# Altium PCB coreBoard.PcbDoc (part 2 of 2)
Units mm, origin at the board's own origin, x right, y up, seen from the top; angles counter-clockwise.
Board outline 99.95 x 98.81 mm, 2 copper layers (Top Layer, Bottom Layer); 296 components, 246 nets, 1010 pads, 103 vias.
Unrouted connection lines stored in the file: 445.
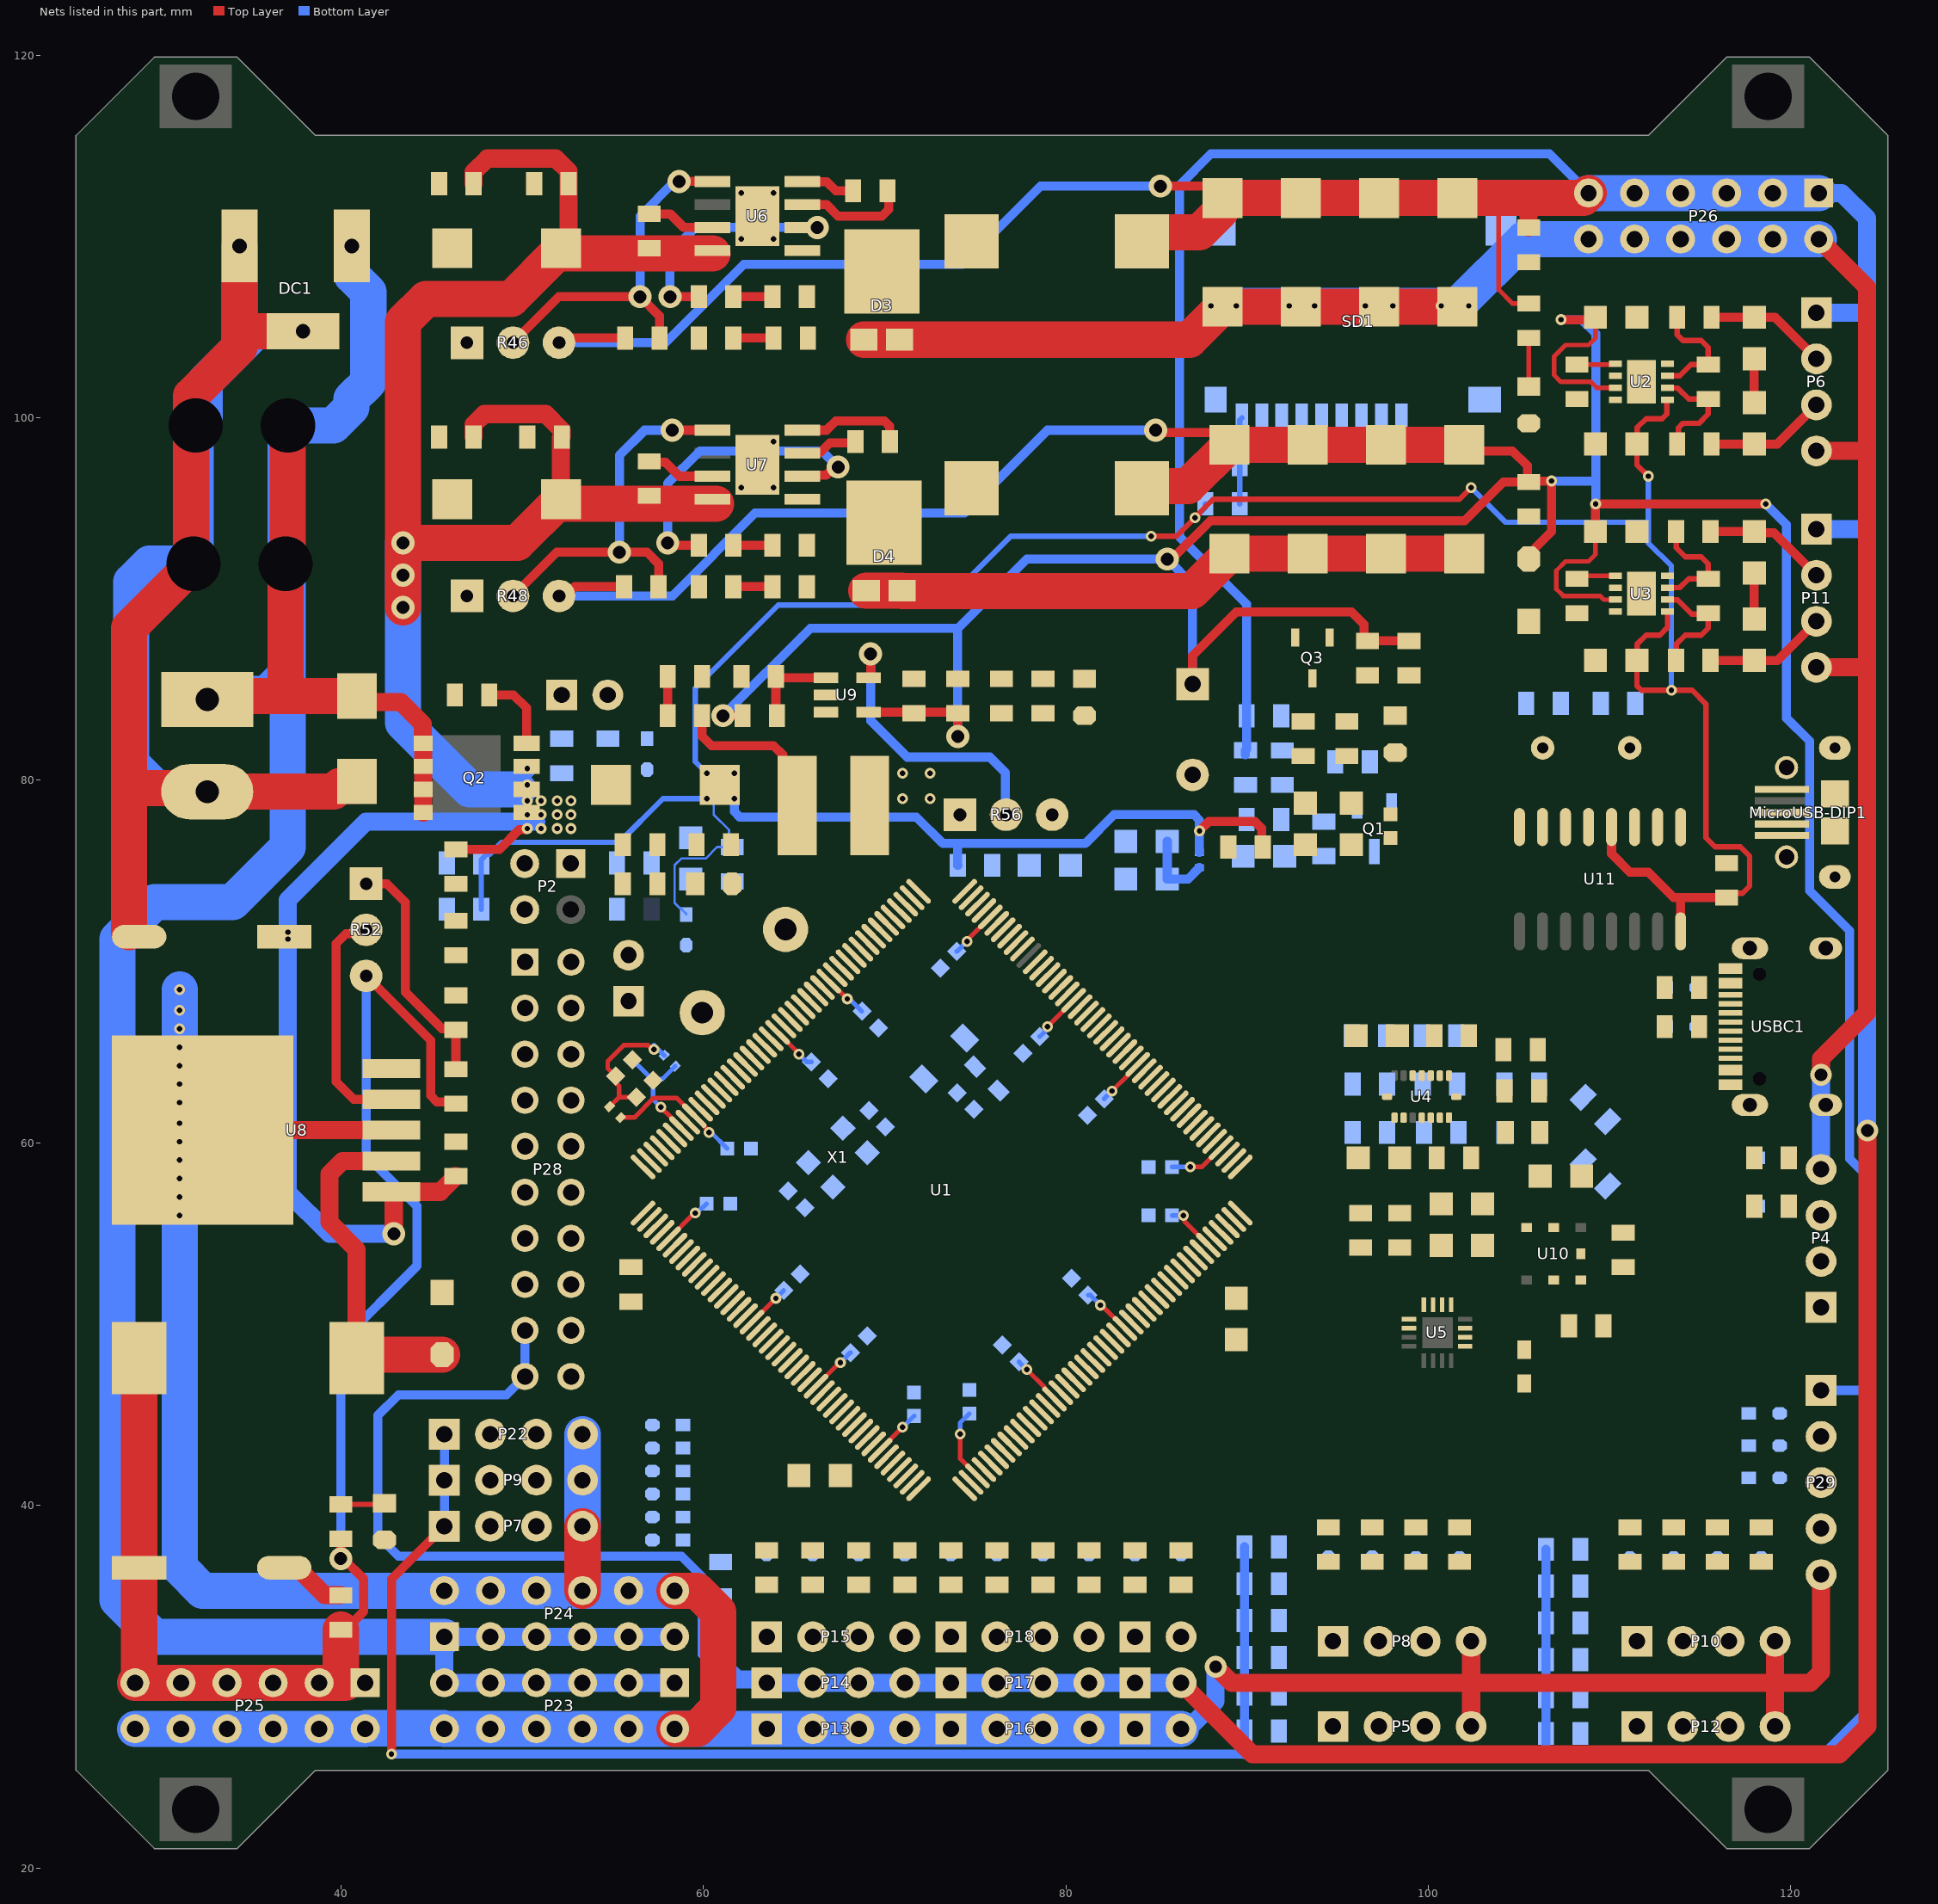
[diagram p2: the nets of this part, all layers, seen from the top]

## Via types
v1: diameter 0.6, hole 0.3, Top Layer to Bottom Layer, 81 vias
v2: diameter 1.27, hole 0.711, Top Layer to Bottom Layer, 19 vias
v3: diameter 1.2, hole 0.7, Top Layer to Bottom Layer, 3 vias

## Nets (pads, with @x,y where several pads share a name; then routed paths per layer and width w, separated by ;. In a path a pad name is that pad's centre, name@x,y a point inside that pad or via, vN(x,y) a via of type N, cw(c..) or ccw(c..) an arc to the next point about the centre after c; other vN are vias at no path point) (continued)
BOOT1: P2.1 R32.2 U1.58
CC: U1.121 USBC1.A5 USBC1.B5
DN: D9.2 R10.2 USBC1.A7 USBC1.B7
DP: D7.2 R11.2 USBC1.A6 USBC1.B6
FB_1: C52.2 R46.2 U6.5 | length 20
  Top Layer w0.5: R46.2@49.504,104.14 52.044,106.68 v2(56.515,106.68) 57.592,105.603 C52.2@57.592,104.394 ; v2(58.674,113.03) U6.5@60.517,113.03
  Bottom Layer w0.5: v2(56.515,106.68) 56.515,111.125 58.42,113.03 v2(58.674,113.03)
FB_2: C71.2 R48.2 U7.5 | length 21.6
  Top Layer w0.5: R48.2@49.504,90.17 51.917,92.583 v2(55.372,92.583) 56.896,92.583 57.531,91.948 C71.2@57.531,90.678 ; v2(58.293,99.314) U7.5@60.517,99.314
  Bottom Layer w0.5: v2(55.372,92.583) 55.372,97.917 56.769,99.314 v2(58.293,99.314)
FB_3: R56.2 U9.5 | length 16.1
  Top Layer w0.5: U9.5@69.12,85.659 69.181,85.659 69.231,85.709 v2(69.231,86.979)
  Bottom Layer w0.5: v2(69.231,86.979) 69.231,83.296 71.247,81.28 75.819,81.28 76.676,80.423 76.676,78.137 R56.2@76.708,78.105
GND: C1.1 C2.1 C3.1 C4.1 C5.2 C6.1 C7.1 C8.1 C9.1 C10.1 C11.1 C12.1 C13.2 C14.2 C15.1 C16.1 C17.2 C18.2 C19.1 C20.1 C21.1 C22.2 C23.1 C24.1 C25.1 C26.2 C27.1 C31.1 C32.1 C33.1 C34.1 C35.1 C36.1 C37.1 C38.1 C39.1 C40.1 C41.1 C42.1 C43.1 C44.1 C45.1 C46.1 C47.1 C48.2 C49.2 C50.2 C51.2 C53.2 C54.2 C55.2 C56.1 C57.1 C58.1 C59.2 C60.2 C61.2 C62.2 C63.2 C64.2 C65.2 C66.2 C67.1 C68.1 C72.2 C73.2 C74.2 C75.2 C76.2 C78.1 C79.1 C80.2 C81.2 C82.2 C83.2 C84.1 C85.1 C86.2 C87.1 C88.1 C89.1 D2.1 D3.1 D3.2 D4.1 D4.2 D5.1 D7.1 D8.1 D9.1 D10.1 D11.1 D12.1 D14.1 D15.1 D16.1 D17.1 D18.1 D19.1 D20.1 D21.1 D22.1 D23.1 D24.1 D25.1 D26.1 D27.1 D28.1 D29.1 D30.1 D31.1 D32.1 D33.1 D34.1 D35.1 D36.1 D37.1 D39.1 D40.1 DC1.2 DC1.3 DS1.2 DS2.2 DS3.2 DS4.2 DS5.2 J1.2 MicroUSB-DIP1.0@119.761,75.776 MicroUSB-DIP1.0@119.761,80.703 MicroUSB-DIP1.0@122.428,74.676 MicroUSB-DIP1.0@122.428,77.216 MicroUSB-DIP1.0@122.428,79.248 MicroUSB-DIP1.0@122.428,81.788 MicroUSB-DIP1.5 P3.2 P4.4 P5.4 P6.4 P7.4 P8.4 P9.4 P10.4 P11.4 P12.4 P13.1 P13.2 P13.3 P13.4 P16.1 P16.2 P16.3 P16.4 P19.1 P19.2 P22.4 P23.2 P23.4 P23.6 P23.8 P23.10 P23.12 P24.2 P24.4 P24.6 P24.8 P24.10 P24.12 P25.2 P25.4 P25.6 P25.8 P25.10 P25.12 P26.2 P26.4 P26.6 P26.8 P26.10 P26.12 P27.2 P28.2 P28.4 P29.5 P30.2 Q3.2 R3.2 R32.1 R33.2 R43.1 R46.1 R48.1 R53.2 R56.3 R98.1 R99.1 R100.1 R101.1 S1.2 SD1.6 SD1.10 SD1.11 SD1.12 SD1.13 U1.14 U1.22 U1.37 U1.61 U1.71 U1.90 U1.102 U1.113 U1.126 U1.135 U1.148 U1.158 U2.2 U2.8 U2.9 U3.2 U3.8 U3.9 U4.4 U4.6 U4.7 U5.9 U5.11 U6.4 U6.9 U7.4 U7.9 U8.3 U8.5 U9.2 U10.7 U11.1 USBC1.0 USBC1.A1 USBC1.A12 USBC1.B1 USBC1.B12 X1.2 X1.4 | length 477.7
  Top Layer w0.5: U7.4@65.467,99.314 66.802,99.314 67.31,99.822 69.989,99.822 70.282,99.529 70.282,98.689 C67.1@70.292,98.679 ; U6.4@65.467,113.03 65.472,113.025 66.807,113.025 67.31,112.522 C56.1@68.265,112.522 ; C19.1@117.983,88.9 C18.2@117.983,91.44 ; C15.1@117.983,100.838 C14.2@117.983,103.251
  Top Layer w1: U8.3@32.381,60.706 U8.3@42.795,60.706 ; C50.2@36.881,36.576 37.65,36.576 37.881,36.345 37.881,36.287 39.116,35.052 C51.2@40.005,35.052 ; v3(88.265,31.115) 89.154,30.226 102.362,30.226 ; P5.4@102.362,27.813 102.362,30.226 ; P8.4@102.362,32.512 102.362,30.226 ; P12.4@119.126,27.813 P10.4@119.126,32.512 ; P11.4@121.412,86.233 124.206,86.233 ; P6.4@121.412,98.171 124.079,98.171 124.206,98.044 ; P26.2@121.539,109.855 124.206,107.188 124.206,98.044 ; P29.5@121.666,36.195 121.666,30.812 121.08,30.226 102.362,30.226 ; v3(121.666,63.754) 121.666,64.643 124.206,67.183 124.206,86.233 ; 124.206,86.233 124.206,98.044
  Top Layer w2: C48.2@28.321,71.628 28.321,79.576 ; DC1.2@34.417,109.474 34.417,105.029 ; DC1.3@37.917,104.774 34.672,104.774 34.417,105.029 ; D2.1@40.894,79.946 40.894,79.796 40.794,79.696 39.943,79.696 39.622,79.375 J1.2@32.639,79.375 32.438,79.576 28.321,79.576 ; P24.8@53.34,35.306 P7.4@53.34,38.862 ; P23.2@58.42,27.686 59.661,27.686 60.833,28.858 60.833,34.134 59.661,35.306 P24.12@58.42,35.306 ; D3.2@68.865,104.311 D3.1@70.835,104.311 86.837,104.311 C61.2@88.646,106.12 C60.2@92.964,106.12 C63.2@97.282,106.12 C62.2@101.6,106.12 ; D4.2@68.992,90.468 D4.1@70.962,90.468 70.99,90.44 86.965,90.44 C76.2@89.029,92.504 C75.2@93.347,92.504 C74.2@97.665,92.504 C73.2@101.983,92.504 ; 28.321,79.576 28.321,88.392 P30.2@31.877,91.948 31.75,92.075 31.75,101.219 34.417,103.886 34.417,105.029
  Bottom Layer w1: P19.2@86.36,27.686 86.549,27.686 86.899,28.036 87.091,28.036 88.265,29.21 v3(88.265,31.115) ; P4.4@121.666,58.547 v3(121.666,63.754)
  Bottom Layer w2: P25.12@28.65,27.686 P25.10@31.19,27.686 P25.8@33.73,27.686 P25.6@36.27,27.686 P25.4@38.81,27.686 P25.2@41.35,27.686 41.38,27.716 45.69,27.716 P23.12@45.72,27.686 P23.10@48.26,27.686 P23.8@50.8,27.686 P23.6@53.34,27.686 P23.4@55.88,27.686 P23.2@58.42,27.686 P13.1@63.5,27.686 P13.2@66.04,27.686 P13.3@68.58,27.686 P13.4@71.12,27.686 P16.1@73.66,27.686 P16.2@76.2,27.686 P16.3@78.74,27.686 P16.4@81.28,27.686 P19.1@83.82,27.686 P19.2@86.36,27.686 ; v1(31.115,68.453) 31.115,36.576 32.385,35.306 P24.2@45.72,35.306 P24.4@48.26,35.306 P24.6@50.8,35.306 P24.8@53.34,35.306 P24.10@55.88,35.306 P24.12@58.42,35.306 ; J1.2@32.639,79.375 32.438,79.576 29.814,79.576 28.448,80.941 28.448,90.948 29.448,91.948 P30.2@31.877,91.948 32.004,92.075 P27.2@32.004,99.568 32.504,100.068 32.504,101.973 34.417,103.886 ; DC1.2@34.417,109.474 34.417,103.886 ; DC1.3@37.917,104.774 35.305,104.774 34.417,103.886 ; P7.4@53.34,38.862 P9.4@53.34,41.402 P22.4@53.34,43.942 ; 88.519,106.172 101.6,106.172 105.283,109.855 P26.12@108.839,109.855 P26.10@111.379,109.855 P26.8@113.919,109.855 P26.6@116.459,109.855 P26.4@118.999,109.855 P26.2@121.539,109.855
  other v1: 31.115,56.007 31.115,57.023 31.115,58.039 31.115,59.055 31.115,60.071 31.115,61.087 31.115,62.23 31.115,63.246 31.115,64.262 31.115,65.278 31.115,66.294 31.115,67.31 62.103,96.139 63.881,96.139 63.881,98.679 88.011,106.172 89.408,106.172 92.329,106.172 93.726,106.172 96.52,106.172 98.044,106.172 100.711,106.172 102.235,106.172 62.103,109.855 63.881,109.855 62.103,112.395 63.881,112.395
NetC7_2: C7.2 U1.125
NetC8_2: C8.2 U1.81
NetC14_1: C14.1 P6.2 R6.1 | length 6.7
  Top Layer w0.5: R6.1@115.631,105.537 C14.1@117.983,105.537 119.126,105.537 P6.2@121.412,103.251
NetC15_2: C15.2 P6.3 R7.1 | length 6.7
  Top Layer w0.5: R7.1@115.631,98.552 C15.2@117.983,98.552 119.253,98.552 P6.3@121.412,100.711
NetC18_1: C18.1 P11.2 R12.1 | length 6.8
  Top Layer w0.5: R12.1@115.57,93.726 C18.1@117.983,93.726 118.059,93.65 119.075,93.65 P11.2@121.412,91.313
NetC19_2: C19.2 P11.3 R16.1 | length 6.7
  Top Layer w0.5: R16.1@115.57,86.614 C19.2@117.983,86.614 119.253,86.614 P11.3@121.412,88.773
NetC26_1: C26.1 U5.10
NetC56_2: C56.2 U6.3 | length 6.2
  Top Layer w0.5: U6.3@65.467,111.76 65.472,111.755 66.807,111.755 67.437,111.125 69.85,111.125 70.231,111.506 70.231,112.456 C56.2@70.165,112.522
NetC57_2: C57.2 R50.1 | length 2.2
  Top Layer w0.5: C57.2@61.656,104.394 R50.1@63.881,104.394
NetC67_2: C67.2 U7.3 | length 3.2
  Top Layer w0.5: U7.3@65.467,98.044 65.517,98.094 66.471,98.094 66.982,98.605 68.198,98.605 68.271,98.679 C67.2@68.392,98.679
NetC68_2: C68.2 R51.1 | length 2.2
  Top Layer w0.5: C68.2@61.656,90.678 R51.1@63.82,90.678
NetC69_1: C69.1 D3.3 L5.1 R50.2 U6.1
NetC69_2: C69.2 R44.2 | length 2.2
  Top Layer w0.5: R44.2@61.656,106.68 C69.2@63.82,106.68
NetC70_1: C70.1 D4.3 L7.1 R51.2 U7.1
NetC70_2: C70.2 R47.2 | length 2.2
  Top Layer w0.5: R47.2@61.656,92.964 C70.2@63.82,92.964
NetC77_2: C77.2 R52.1 R53.1 | length 13.4
  Top Layer w0.5: R52.1@41.402,74.295 42.545,74.295 43.561,73.279 43.561,68.326 45.593,66.294 46.294,66.294 R53.1@46.355,66.233 C77.2@46.355,64.069
NetC84_2: C84.2 R55.1 | length 2.2
  Top Layer w0.5: C84.2@58.039,85.725 58.044,85.72 R55.1@58.044,83.566
NetC85_2: C85.2 R54.1 U9.1 | length 5
  Top Layer w0.5: R54.1@64.069,83.566 64.008,83.627 C85.2@64.008,85.725 64.074,85.659 U9.1@66.77,85.659
NetC88_2: C88.2 U11.7 X3.1
NetC89_2: C89.2 U11.8 X3.2
NetD1_2: D1.2 P1.2
NetD5_2: D5.2 L6.1 U8.2 | length 19.3
  Top Layer w1: L6.1@40.881,48.133 40.881,54.115 39.37,55.626 39.37,58.293 40.083,59.006 U8.2@42.795,59.006
  Top Layer w2: L6.1@40.881,48.133 41.072,48.323 D5.2@45.593,48.323
NetD8_2: D8.2 P4.3 R14.2
NetD10_2: D10.2 P4.2 R13.2
NetD12_2: D12.2 P5.3 R57.1 R61.2
NetD14_2: D14.2 P5.2 R58.1 R60.2
NetD17_2: D17.2 P8.3 R62.1 R66.2
NetD18_2: D18.2 P8.2 R63.1 R65.2
NetD21_2: D21.2 P10.3 R67.1 R71.2
NetD22_2: D22.2 P10.2 R68.1 R70.2
NetD23_2: D23.2 P12.3 R72.1 R76.2
NetD24_2: D24.2 P12.2 R73.1 R75.2
NetDS1_1: DS1.1 R89.1 | length 2.4
  Top Layer w0.3: R89.1@40.005,40.066 42.352,40.066 DS1.1@42.418,40.132
NetDS2_1: DS2.1 R90.1
NetDS3_1: DS3.1 R91.1 | length 2.7
  Top Layer w0.254: DS3.1@105.537,101.727 R91.1@105.537,104.399
NetDS4_1: DS4.1 R92.1
NetDS5_1: DS5.1 R93.1
NetL9_1: L9.1 R55.2 U9.3 | length 6
  Top Layer w0.5: R55.2@59.944,83.566 59.944,82.423 60.452,81.915 63.881,81.915 64.389,81.407
NetLS1_2: LS1.2 Q3.3
NetMicroUSB-DIP1_2: MicroUSB-DIP1.2@119.507,77.597 U11.6
NetMicroUSB-DIP1_3: MicroUSB-DIP1.3@119.507,78.232 U11.5
NetP1_1: P1.1 U1.6
NetP2_3: P2.3 R34.2
NetP2_4: P2.4 R35.1
NetP3_1: P3.1 R94.2
NetP5_1: P5.1 R59.1
NetP8_1: P8.1 R64.1
NetP10_1: P10.1 R69.1
NetP12_1: P12.1 R74.1
NetP15_1: P15.1 R77.2
NetP15_2: P15.2 R78.2
NetP15_3: P15.3 R79.2
NetP15_4: P15.4 R80.2
NetP18_1: P18.1 R81.2
NetP18_2: P18.2 R82.2
NetP18_3: P18.3 R83.2
NetP18_4: P18.4 R84.2
NetP21_1: P21.1 R85.2
NetP21_2: P21.2 R86.2
NetQ1_1: Q1.1 R29.2 R30.2
NetQ1_3: Q1.3 R19.1 R20.1 R21.1 R22.1 R23.1 R24.1 R25.1 R26.1 R27.1 R28.1
NetQ2_4: Q2.4 R43.2 | length 4.3
  Top Layer w0.5: R43.2@48.194,84.709 49.53,84.709 50.248,83.991 Q2.4@50.248,82.042
NetQ3_1: Q3.1 R102.1
NetR3_1: R3.1 U1.48
NetR5_1: R5.1 R7.2 U2.6 | length 6.2
  Top Layer w0.3: U2.6@113.193,101.651 113.203,101.64 113.752,101.64 114.361,101.031 R5.1@115.443,101.031 115.443,100.203 114.935,99.695 114.046,99.695 113.792,99.441 113.792,98.613 R7.2@113.731,98.552
NetR5_2: R5.2 R6.2 U2.7 | length 6.4
  Top Layer w0.3: U2.7@113.193,102.311 113.868,102.311 114.488,102.931 R5.2@115.443,102.931 115.443,103.886 115.062,104.267 114.046,104.267 113.731,104.582 R6.2@113.731,105.537
NetR8_2: R8.2 R9.1 SD1.9 | length 4.8
  Bottom Layer w0.3: R9.1@89.596,95.25 89.596,99.87 SD1.9@89.716,99.99
NetR12_2: R12.2 R15.2 U3.7 | length 6.3
  Top Layer w0.3: U3.7@113.193,90.627 113.868,90.627 114.361,91.12 R15.2@115.443,91.12 115.443,91.948 115.062,92.329 114.173,92.329 113.685,92.817 113.685,93.711 R12.2@113.67,93.726
NetR15_1: R15.1 R16.2 U3.6 | length 6.5
  Top Layer w0.3: U3.6@113.193,89.967 113.203,89.956 113.752,89.956 114.534,89.174 115.397,89.174 R15.1@115.443,89.22 115.443,88.392 115.062,88.011 114.173,88.011 113.685,87.523 113.685,86.629 R16.2@113.67,86.614
NetR31_2: R31.2 U4.10 U4.15
NetR36_2: R36.2 U4.5
NetR37_2: R37.2 U4.8
NetR38_1: R38.1 U4.14
NetR39_1: R39.1 U4.9
NetR40_2: R40.2 U3.1 | length 2.2
  Top Layer w0.254: R40.2@108.204,91.12 108.372,91.288 U3.1@110.327,91.288
NetR41_2: R41.2 U2.1 | length 2.1
  Top Layer w0.254: R41.2@108.204,102.931 110.287,102.931 U2.1@110.327,102.972
NetR44_1: R44.1 U6.2 | length 12.9
  Top Layer w0.5: v2(58.166,106.68) R44.1@59.695,106.68 ; R44.1@59.756,106.68 R44.1@59.756,106.619 ; R44.1@59.695,106.68 R44.1@59.756,106.619 ; R44.1@59.695,106.68 R44.1@59.756,106.619
  Bottom Layer w0.5: v2(58.166,106.68) 58.166,109.093 59.563,110.49 v2(66.294,110.49)
NetR45_2: R45.2 U6.7 | length 3.8
  Top Layer w0.5: R45.2@57.023,111.247 58.171,111.247 58.928,110.49 U6.7@60.517,110.49
NetR47_1: R47.1 U7.2 | length 17.8
  Top Layer w0.5: v2(58.039,93.091) 58.166,92.964 R47.1@59.756,92.964 ; U7.2@65.467,96.774 65.517,96.824 66.771,96.824 67.229,97.282 v2(67.437,97.282)
  Bottom Layer w0.5: v2(58.039,93.091) 58.039,96.393 59.817,98.171 66.548,98.171 v2(67.437,97.282)
NetR49_2: R49.2 U7.7 | length 3.8
  Top Layer w0.5: R49.2@57.023,97.597 57.084,97.536 57.912,97.536 58.674,96.774 U7.7@60.517,96.774
NetR52_2: R52.2 U8.4 | length 13
  Top Layer w0.5: R52.2@41.402,71.755 41.18,71.533 40.291,71.533 39.751,70.993 39.751,63.373 40.718,62.406 U8.4@42.795,62.406
NRST: C9.2 R4.2 S1.1 U1.31
PA0: R60.1 U1.40
PA1: R76.1 U1.41
PA2: D16.2 P7.2 U1.42
PA3: D15.2 P7.3 U1.47
PA4: R38.2 U1.50
PA5: R75.1 U1.51
PA6: R70.1 U1.52
PA7: R39.2 U1.53
PA8: U1.119
PA9: U1.120 U11.3
PA11: R10.1 U1.122
PA12: R11.1 U1.123
PA13: R13.1 U1.124
PA14: R14.1 U1.137
PA15: U1.138
PB0: R36.1 U1.56
PB1: U1.57
PB3: R37.1 U1.161
PB4: R31.1 U1.162
PB5: U1.163 U3.4
PB6: R40.1 U1.164
PB7: U1.165 U11.2
PB8: R17.1 U1.167 U5.1
PB9: R18.1 U1.168 U5.16
PB10: D20.2 P9.2 U1.79
PB11: D19.2 P9.3 U1.80
PB12: U1.92
PB13: D37.2 P29.4 U1.93
PB14: D39.2 P29.3 U1.94
PB15: D40.2 P29.2 U1.95
PC0: R95.1 R99.2 U1.32
PC1: R96.1 R100.2 U1.33
PC2: R97.1 R101.2 U1.34
PC3: D11.2 R94.1 R98.2 U1.35
PC4: U1.54 U4.16
PC5: U1.55 U4.12
PC6: D32.2 R81.1 U1.115
PC7: R71.1 U1.116
PC8: SD1.7 U1.117
PC9: SD1.8 U1.118
PC10: SD1.1 U1.139
PC11: SD1.2 U1.140
PC12: SD1.5 U1.141
PC13: R93.2 U1.8
PC14: C10.2 U1.9 X2.2
PC15: C11.2 U1.10 X2.1
PD0: U1.142 U2.4
PD1: R41.1 U1.143
PD2: SD1.3 U1.144
PD3: U1.145
PD4: U1.146
PD5: U1.147
PD6: U1.150
PD7: U1.151
PD8: U1.96
PD9: U1.97
PD10: U1.98
PD11: U1.99
PD12: R65.1 U1.100
PD13: R66.1 U1.101
PD14: U1.104
PD15: U1.105
PDR_ON: C47.2 R42.2 U1.171
PE0: U1.169
PE1: U1.170
PE2: U1.1
PE3: U1.2
PE4: U1.3
PE5: D34.2 R85.1 U1.4
PE6: D33.2 R86.1 U1.5
PE7: U1.68
PE8: U1.69
PE9: D28.2 R77.1 U1.70
PE10: U1.73
PE11: D27.2 R78.1 U1.74
PE12: U1.75
PE13: D26.2 R79.1 U1.76
PE14: D25.2 R80.1 U1.77
PE15: R8.1 U1.78
PF0: P28.1 U1.16
PF1: P28.3 U1.17
PF2: P28.5 U1.18
PF3: P28.7 U1.19
PF4: P28.9 U1.20
PF5: P28.11 U1.21
PF6: P28.13 U1.24
PF7: P28.15 U1.25
PF8: P28.6 U1.26
PF9: P28.8 U1.27
PF10: P28.10 U1.28
PF11: P28.12 U1.59
PF12: P28.14 U1.60
PF13: P28.16 U1.63
PF14: P28.18 U1.64
PF15: P28.20 U1.65
PG0: U1.66
PG1: U1.67
PG2: U1.106
PG3: U1.107 U5.15
PG4: U1.108
PG5: U1.109
PG6: U1.110 U5.14
PG7: U1.111
PG8: U1.112
PG9: D35.2 P22.3 U1.152
PG10: U1.153
PG11: U1.154
PG12: U1.155
PG13: U1.156
PG14: D36.2 P22.2 U1.157
PG15: U1.160
PGND: C28.1 L4.1
PGND_H: C29.1 C30.1 L4.2 Q1.2 R30.1
PH0: C5.1 U1.29 X1.1
PH1: C6.2 U1.30 X1.3
PH2: U1.43
PH3: U1.44
PH4: R88.1 U1.45 U10.5
PH5: R87.1 U1.46 U10.6
PH6: R102.2 U1.83
PH7: U1.84
PH8: U1.85
PH9: R29.1 U1.86
PH10: U1.87
PH11: R61.1 U1.88
PH12: U1.89
PH13: U1.128
PH14: U1.129
PH15: U1.130
PI0: U1.132
PI1: U1.131
PI2: D29.2 R84.1 U1.133
PI3: U1.134
PI4: U1.173
PI5: U1.174
PI6: D31.2 R82.1 U1.175
PI7: D30.2 R83.1 U1.176
PI8: U1.7
PI9: U1.11
PI10: U1.12
PI11: U1.13
SBU: USBC1.A8 USBC1.B8
VBUS: D6.1 MicroUSB-DIP1.1@119.507,76.962 USBC1.A4 USBC1.A9 USBC1.B4 USBC1.B9
VCC_3V3: C12.2 C16.2 C80.1 C81.1 C82.1 C83.1 C87.2 D1.1 L2.1 L8.2 L9.2 P4.1 R4.1 R9.2 R34.1 R35.2 R42.1 R56.1 R92.2 SD1.4 U2.5 U3.5 U11.4 U11.16 | length 178.7
  Top Layer w0.3: v1(84.709,93.472) 86.106,93.472 87.777,95.143 ; v1(87.122,94.488) 87.777,95.143 ; v1(102.362,96.139) 101.727,95.504 88.138,95.504 87.777,95.143 ; v1(112.141,96.774) 111.506,97.409 C12.2@111.506,98.552 111.526,98.572 111.526,99.461 112.014,99.949 112.903,99.949 113.157,100.203 113.157,100.963 113.185,100.99 U2.5@113.193,100.99 ; U3.5@113.193,89.306 113.193,88.428 112.776,88.011 112.014,88.011 111.526,87.523 111.526,86.634 C16.2@111.506,86.614 111.506,85.217 111.76,84.963 v1(113.411,84.963) 114.554,84.963 115.316,84.201 115.316,76.835 115.824,76.327 117.221,76.327 117.729,75.819 117.729,74.168 117.337,73.776 116.697,73.776 C87.2@116.459,73.538
  Top Layer w0.5: v1(87.376,77.216) 87.884,77.724 90.424,77.724 90.805,77.343 90.805,76.388 L2.1@90.866,76.327 ; U11.4@110.109,77.424 110.109,75.946 111.125,74.93 112.141,74.93 113.533,73.538 113.919,73.538 ; U11.16@113.919,71.674 113.919,73.538 ; C87.2@116.459,73.538 113.919,73.538
  Bottom Layer w0.127: D1.1@59.055,72.605 59.055,72.655 58.768,72.941 58.718,72.941 58.42,73.24 58.42,75.319 58.793,75.692 60.134,75.692 60.765,76.322 R4.1@61.595,76.322 61.42,76.497 61.42,77.264 60.579,78.105 60.579,78.867 60.543,78.903 60.289,78.903 v1(60.198,78.994)
  Bottom Layer w0.3: R35.2@47.752,72.898 R34.1@47.752,75.438 47.752,75.629 48.047,75.923 48.237,75.923 48.895,76.581 55.372,76.581 57.785,78.994 v1(60.198,78.994) ; v1(60.198,80.391) 59.563,81.026 59.563,85.09 64.135,89.662 73.152,89.662 76.962,93.472 v1(84.709,93.472) ; v1(87.122,94.488) 87.125,94.488 87.696,95.059 R9.2@87.696,95.25 ; v1(102.362,96.139) 104.267,94.234 112.141,94.234 ; v1(112.141,96.774) 112.141,94.234 ; v1(113.411,84.963) 113.411,91.821 112.141,93.091 112.141,94.234
  Bottom Layer w0.5: v1(61.722,78.994) 61.722,78.271 62.015,77.978 71.755,77.978 73.215,76.517 74.041,76.517 ; R42.1@74.046,75.311 74.041,75.316 74.041,76.517 ; L8.2@87.376,76.034 87.376,77.812 87.083,78.105 82.677,78.105 81.09,76.517 74.041,76.517
  other v1: 70.993,78.994 72.517,78.994 61.722,80.391 70.993,80.391 72.517,80.391
VCC_3V3_IMU: C20.2 C21.2 C22.1 C27.2 C86.1 R17.2 R18.2 R87.2 R88.2 U4.3 U4.11 U5.2 U5.13 U10.2 U10.3
VCC_3V3_MCU: C31.2 C32.2 C33.2 C34.2 C35.2 C36.2 C37.2 C38.2 C39.2 C40.2 C41.2 C42.2 C43.2 C44.2 C45.2 C46.2 C58.2 L1.2 L8.1 U1.15 U1.23 U1.36 U1.49 U1.62 U1.72 U1.82 U1.91 U1.103 U1.114 U1.127 U1.136 U1.149 U1.159 U1.172 | length 51.3
  Top Layer w0.254: L1.2@55.436,61.404 55.471,61.439 55.575,61.439 55.61,61.404 56.197,61.404 57.277,62.484 58.526,62.484 U1.36@59.505,61.505 60.044,60.966 60.044,60.915 60.325,60.634 v1(60.325,60.579) ; U1.49@58.091,54.717 59.508,56.134 v1(59.563,56.134) ; U1.62@62.687,50.121 62.694,50.121 v1(64.008,51.435) ; U1.23@64.101,66.101 65.278,64.924 v1(65.278,64.897) ; U1.72@66.222,46.585 67.389,47.752 67.437,47.752 v1(67.564,47.879) ; U1.15@66.929,68.93 66.942,68.93 67.495,68.377 67.513,68.377 v1(67.945,67.945) ; U1.82@69.758,43.05 70.297,43.589 70.297,43.627 v1(70.993,44.323) ; v1(74.168,43.942) 74.168,42.599 U1.91@75.132,41.636 ; v1(74.549,71.12) 74.549,71.175 U1.172@75.839,72.465 ; v1(77.851,47.498) 78.835,46.514 78.835,46.417 U1.103@79.375,45.878 ; v1(78.994,66.421) 79.502,66.929 79.502,66.936 U1.159@80.435,67.869 ; v1(81.915,51.054) 81.977,51.054 U1.114@83.264,49.767 ; v1(82.55,62.865) 83.432,63.747 83.432,63.794 U1.149@83.971,64.334 ; v1(86.487,56.007) 86.553,55.941 86.553,55.67 U1.127@87.86,54.363 ; v1(86.868,58.674) 87.503,58.674 U1.136@88.567,59.737
  Bottom Layer w0.254: v1(59.563,56.134) 59.631,56.134 59.885,56.388 59.929,56.388 C42.2@60.183,56.642 ; v1(60.325,60.579) 60.437,60.579 C34.2@61.326,59.69 ; v1(64.008,51.435) C40.2@64.438,51.864 ; v1(65.278,64.897) 65.708,64.467 C35.2@65.961,64.467 ; v1(67.564,47.879) C37.2@68.121,48.435 ; v1(67.945,67.945) 68.072,67.945 C33.2@68.755,67.261 ; v1(70.993,44.323) 71.008,44.323 C36.2@71.628,44.943 ; C31.2@73.992,70.564 v1(74.549,71.12) ; v1(74.168,43.942) 74.168,44.562 C41.2@74.676,45.07 ; C44.2@77.422,47.928 v1(77.851,47.498) ; C32.2@78.564,65.865 78.994,66.294 v1(78.994,66.421) ; C58.2@81.232,51.611 81.358,51.611 v1(81.915,51.054) ; C38.2@82.12,62.436 v1(82.55,62.865) ; C43.2@85.867,56.007 v1(86.487,56.007) ; C39.2@85.867,58.674 v1(86.868,58.674)
  Bottom Layer w0.5: C45.2@85.598,76.635 C46.2@85.598,74.549 86.741,74.549 L8.1@87.376,75.184
VCC_5V_M: C28.2 C52.1 C55.1 C60.1 C61.1 C62.1 C63.1 L3.1 L5.2 P6.1 P11.1 P14.1 P14.2 P14.3 P14.4 P17.1 P17.2 P17.3 P17.4 P20.1 P20.2 P26.1 P26.3 P26.5 P26.7 P26.9 P26.11 P28.17 P28.19 R46.3 R91.2 R96.2 | length 349.6
  Top Layer w0.254: 103.886,112.12 103.886,107.061 104.648,106.299 R91.2@105.537,106.299
  Top Layer w0.5: R46.3@52.044,104.14 52.396,104.14 52.65,104.394 C52.1@55.692,104.394 ; v2(85.217,112.776) 87.99,112.776 C61.1@88.646,112.12
  Top Layer w1: P20.2@86.36,30.226 90.297,26.289 122.682,26.289 124.224,27.831 v3(124.224,60.684) ; 105.283,112.12 105.537,111.866 C55.1@105.537,110.485
  Top Layer w2: L5.2@84.201,109.728 84.701,110.228 87.374,110.228 88.546,111.4 88.546,112.02 C61.1@88.646,112.12 C60.1@92.964,112.12 C63.1@97.282,112.12 C62.1@101.6,112.12 103.886,112.12 105.283,112.12 108.564,112.12 P26.11@108.839,112.395
  Bottom Layer w0.5: P28.17@50.165,49.657 P28.19@50.165,47.117 49.149,46.101 43.18,46.101 42.037,44.958 42.037,38.354 43.18,37.211 58.801,37.211 59.944,36.068 59.944,31.789 60.23,31.503 60.766,31.503 R96.2@60.96,31.308 ; R46.3@52.044,104.14 57.912,104.14 62.23,108.458 74.295,108.458 78.613,112.776 v2(85.217,112.776) ; L3.1@89.916,81.407 L3.1@89.916,81.656 89.982,81.722 C28.2@89.982,83.561 89.982,89.723 86.265,93.44 86.265,112.808 88.011,114.554 106.68,114.554 P26.11@108.839,112.395
  Bottom Layer w1: R96.2@60.96,31.308 61.04,31.308 61.095,31.253 61.095,31.173 61.86,30.408 63.318,30.408 P14.1@63.5,30.226 P14.2@66.04,30.226 P14.3@68.58,30.226 P14.4@71.12,30.226 P17.1@73.66,30.226 P17.2@76.2,30.226 P17.3@78.74,30.226 P17.4@81.28,30.226 P20.1@83.82,30.226 P20.2@86.36,30.226 ; P11.1@121.412,93.853 124.079,93.853 124.206,93.98 ; P6.1@121.412,105.791 124.079,105.791 124.206,105.664 ; P26.1@121.539,112.395 122.809,112.395 124.206,110.998 124.206,105.664 ; v3(124.224,60.684) 124.206,60.702 124.206,84.763 124.206,93.98 ; 124.206,93.98 124.206,105.664
  Bottom Layer w2: P26.11@108.839,112.395 P26.9@111.379,112.395 P26.7@113.919,112.395 P26.5@116.459,112.395 P26.3@118.999,112.395 P26.1@121.539,112.395
VCC_5V_M_HEAT: C29.2 C30.2 L3.2 R19.2 R20.2 R21.2 R22.2 R23.2 R24.2 R25.2 R26.2 R27.2 R28.2
VCC_5V_S: C13.1 C17.1 C66.1 C71.1 C73.1 C74.1 C75.1 C76.1 C78.2 C79.2 D6.2 L7.2 LS1.1 P7.1 P9.1 P22.1 P29.1 R48.3 R54.2 R57.2 R58.2 R59.2 R62.2 R63.2 R64.2 R67.2 R68.2 R69.2 R72.2 R73.2 R74.2 R90.2 R97.2 U2.3 U3.3 U9.4 | length 400
  Top Layer w0.254: C13.1@109.093,105.41 109.22,105.283 109.22,104.394 108.839,104.013 107.569,104.013 106.934,103.378 106.934,102.362 107.315,101.981 108.966,101.981 109.296,101.651 U2.3@110.327,101.651 ; C17.1@109.22,93.726 109.22,92.456 108.839,92.075 107.569,92.075 107.061,91.567 107.061,90.551 107.442,90.17 109.474,90.17 109.677,89.967 U3.3@110.327,89.967
  Top Layer w0.5: v1(42.799,26.289) 42.799,35.941 P7.1@45.72,38.862 ; R48.3@52.044,90.17 52.396,90.17 52.904,90.678 C71.1@55.631,90.678 ; v2(61.087,83.566) R54.2@62.169,83.566 ; U9.4@69.12,83.759 73.98,83.759 C79.2@74.041,83.698 v2(74.041,82.423) ; v2(84.963,99.314) 85.09,99.187 88.346,99.187 C76.1@89.029,98.504 ; v2(85.598,92.202) 85.852,92.202 87.978,94.328 102.014,94.328 104.14,96.454 C66.1@105.537,96.454 ; LS1.1@86.995,85.304 86.995,86.868 89.408,89.281 95.758,89.281 96.446,88.593 96.446,87.885 96.641,87.691 R97.2@96.647,87.691 R90.2@98.933,87.691 ; C73.1@101.983,98.504 102.316,98.171 104.648,98.171 105.463,97.356 105.463,96.528 C66.1@105.537,96.454 ; D6.2@105.537,92.202 105.537,92.437 105.922,92.822 105.922,92.841 106.807,93.726 106.807,96.503 v1(106.8,96.511) 105.612,96.511 105.603,96.52 C66.1@105.537,96.454 ; v1(107.315,105.41) C13.1@109.093,105.41 ; C17.1@109.22,93.726 v1@109.22,95.25 ; v1(109.234,95.25) v1(118.618,95.25) ; P29.1@121.666,46.355 P29.1@121.83,46.519
  Top Layer w2: L7.2@84.201,96.112 84.311,96.222 86.748,96.222 C76.1@89.029,98.504 C75.1@93.347,98.504 C74.1@97.665,98.504 C73.1@101.983,98.504
  Bottom Layer w0.5: v1(42.799,26.289) 89.795,26.289 89.825,26.259 89.855,26.289 ; P7.1@45.72,38.862 P9.1@45.72,41.402 P22.1@45.72,43.942 ; R48.3@52.044,90.17 58.293,90.17 62.865,94.742 74.422,94.742 78.994,99.314 v2(84.963,99.314) ; v2(61.087,83.566) 65.913,88.392 74.049,88.392 ; v2(74.041,82.423) 74.041,88.384 74.049,88.392 ; LS1.1@86.995,85.304 86.995,90.805 v2(85.598,92.202) 77.859,92.202 74.049,88.392 ; R62.2@89.855,37.719 R63.2@89.855,35.687 R64.2@89.855,33.655 R57.2@89.855,31.623 R58.2@89.855,29.591 R59.2@89.855,27.559 89.855,26.289 ; R67.2@106.492,37.592 R68.2@106.492,35.56 R69.2@106.492,33.528 R72.2@106.492,31.496 R73.2@106.492,29.464 R74.2@106.492,27.432 106.492,26.289 ; v1(106.8,96.511) 109.224,96.511 109.234,96.52 ; v1(107.315,105.41) 108.458,105.41 109.234,104.634 109.234,96.52 ; v1(109.234,95.25) 109.234,96.52 ; v1(118.618,95.25) 119.761,94.107 119.761,83.439 121.031,82.169 121.031,73.914 123.247,71.698 123.247,59.125 124.206,58.166 124.206,46.355 ; P29.1@121.666,46.355 124.206,46.355 ; 89.855,26.289 106.492,26.289 ; 106.492,26.289 121.793,26.289 124.206,28.702 124.206,46.355
VCC_12V_S: C50.1 C51.1 C77.1 L6.2 P25.1 P25.3 P25.5 P25.7 P25.9 P25.11 R52.3 R89.2 | length 83.5
  Top Layer w0.5: C51.1@40.005,33.152 40.2,33.347 40.459,33.347 41.275,34.163 41.275,35.941 40.148,37.068 v2(40.005,37.068) 40.005,37.972 R89.2@40.009,37.976 ; R52.3@41.402,69.215 44.958,65.659 44.958,62.611 45.308,62.261 46.263,62.261 C77.1@46.355,62.169
  Top Layer w2: L6.2@28.881,48.133 C50.1@28.881,36.576 28.881,30.458 P25.11@28.65,30.226 P25.9@31.19,30.226 P25.7@33.73,30.226 P25.5@36.27,30.226 P25.3@38.81,30.226 40.259,30.226 40.005,30.48 C51.1@40.005,33.152
  Bottom Layer w0.5: v2(40.005,37.068) 40.005,49.022 44.196,53.213 44.196,56.515 41.402,59.309 R52.3@41.402,69.215
VCC_24V_BAT: D2.2 DC1.1 J1.1 P23.1 P23.3 P23.5 P23.7 P23.9 P23.11 P24.1 P24.3 P24.5 P24.7 P24.9 P24.11 P27.1 P30.1 Q2.5 Q2.6 Q2.7 Q2.8 | length 169.3
  Top Layer w1: D2.2@40.894,84.646 41.212,84.328 43.307,84.328 44.535,83.1 44.535,82.055 Q2.5@44.548,82.042 Q2.6@44.548,80.772 Q2.7@44.548,79.502 Q2.8@44.548,78.232
  Top Layer w2: J1.1@32.639,84.455 32.83,84.646 36.83,84.646 ; P27.1@37.084,99.568 37.084,92.075 P30.1@36.957,91.948 36.957,84.773 36.83,84.646 ; D2.2@40.894,84.646 36.83,84.646
  Bottom Layer w1: P23.1@58.42,30.226 P23.3@55.88,30.226 P23.5@53.34,30.226 P23.7@50.8,30.226 P23.9@48.26,30.226 P23.11@45.72,30.226 P24.1@45.72,32.766 P24.3@48.26,32.766 P24.5@50.8,32.766 P24.7@53.34,32.766 P24.9@55.88,32.766 P24.11@58.42,32.766
  Bottom Layer w2: J1.1@32.639,84.455 32.951,84.767 35.912,84.767 37.084,85.938 ; DC1.1@40.617,109.474 40.617,107.846 41.529,106.934 41.529,101.981 40.584,101.036 40.584,100.568 39.584,99.568 P27.1@37.084,99.568 36.957,99.441 P30.1@36.957,91.948 37.084,91.821 37.084,85.938 ; P24.1@45.72,32.766 29.718,32.766 27.686,34.798 27.686,71.247 29.718,73.279 34.036,73.279 37.084,76.327 37.084,85.938
VCC_24V_S: C48.1 C49.1 C53.1 C54.1 C59.1 C64.1 C65.1 C72.1 Q2.1 Q2.2 Q2.3 R45.1 R49.1 R95.2 U6.8 U7.8 U8.1 | length 167
  Top Layer w0.5: R95.2@46.355,76.195 48.763,76.195 49.861,77.293 50.215,77.293 50.265,77.343 v1(50.292,77.343)
  Top Layer w1: U8.1@42.795,57.306 U8.1@42.901,57.306 ; v2(42.926,54.991) 42.926,57.281 U8.1@42.901,57.306 ; 44.45,106.553 44.704,106.553 44.958,106.553 ; C49.1@46.355,58.166 46.275,58.166 46.22,58.11 46.22,58.031 45.495,57.306 U8.1@42.901,57.306 ; C64.1@47.329,98.933 47.329,99.617 47.914,100.203 51.308,100.203 52.197,99.314 C65.1@52.197,98.933 52.149,98.885 C72.1@52.149,95.504 C72.1@52.088,95.443 ; C54.1@47.329,112.903 47.329,113.544 48.081,114.296 51.864,114.296 52.573,113.587 C53.1@52.573,112.903 52.573,109.771 C59.1@52.149,109.347
  Top Layer w2: v2(43.434,89.535) v2(43.434,91.313) v2(43.434,93.091) ; 44.704,106.553 43.434,105.283 v2(43.434,93.091) ; 44.958,106.553 49.403,106.553 52.049,109.199 52.049,109.247 C59.1@52.149,109.347 ; C72.1@52.088,95.443 49.736,93.091 v2(43.434,93.091) ; U7.8@60.517,95.25 52.451,95.25 U7.8@60.517,95.25 ; U7.8@60.517,95.25 60.706,95.25 U7.8@60.517,95.25 ; C59.1@52.049,109.063 60.517,109.063 C59.1@52.049,109.063
  Bottom Layer w1: v2(42.926,54.991) 39.37,54.991 37.084,57.277 v1(37.084,71.247) v1(37.084,71.628) 37.084,73.406 41.402,77.724 ; v1@50.165,80.518 v1(50.292,80.645) ; 41.402,77.724 50.8,77.724 41.402,77.724
  Bottom Layer w2: v2(43.434,93.091) v2(43.434,91.313) v2(43.434,89.535) 43.434,83.185 47.117,79.502 49.784,79.502
  other v1: 51.054,77.343 51.943,77.343 52.705,77.343 50.292,78.105 51.054,78.105 51.943,78.105 52.705,78.105 50.292,78.867 51.054,78.867 51.943,78.867 52.705,78.867 50.292,79.756
VCC_IMU: C23.2 C24.2 C25.2 L2.2
VDDA: C3.2 C4.2 L1.1 R1.2 U1.39 | length 8.8
  Top Layer w0.254: L1.1@54.835,62.005 55.363,62.533 ; C4.2@56.309,62.533 55.363,62.533 ; v1(57.277,65.151) 57.192,65.151 56.955,65.388 55.609,65.388 54.728,64.507 54.728,64.114 C3.2@55.166,63.676 55.166,63.316 55.363,63.12 55.363,62.533
  Bottom Layer w0.254: v1(57.277,65.151) v1@57.277,65.405 ; v1@57.277,65.405 R1.2@57.848,64.834 v1@57.277,65.405
VREF+: C1.2 C2.2 R1.1 U1.38 | length 6.5
  Top Layer w0.254: v1(57.658,61.976) 58.259,61.375 58.259,61.337 U1.38@58.798,60.798
  Bottom Layer w0.254: C2.2@56.085,64.595 C1.2@57.228,63.452 ; v1(57.658,61.976) 57.228,62.406 C1.2@57.228,63.452 ; R1.1@58.449,64.233 57.733,63.517 57.653,63.517 57.588,63.452 C1.2@57.228,63.452
pads on no net: MicroUSB-DIP1.0@119.761,75.776 MicroUSB-DIP1.1@119.761,80.703 MicroUSB-DIP1.2@122.428,74.676 MicroUSB-DIP1.3@122.428,81.788 MicroUSB-DIP1.4 Q2.9 U4.1 U4.2 U4.13 U5.3 U5.4 U5.5 U5.6 U5.7 U5.8 U5.12 U5.17 U6.6 U7.6 U10.1 U10.4 U11.9 U11.10 U11.11 U11.12 U11.13 U11.14 U11.15 USBC1.
copper on no net:
  other v1: 62.103,98.679

## Polygon pours and split planes (outlines as drawn)
GND on Top Layer "GND_L01_P007" (solid, pour order 7): 27.305,73.914 29.337,73.914 37.338,65.913 37.338,55.499 27.305,55.499
VCC_24V_S on Top Layer "VCC_24V_S_L01_P004" (solid, pour order 4): 49.53,81.153 53.34,81.153 53.34,76.962 49.53,76.962
VCC_3V3 on Top Layer "VCC_3V3_L01_P003" (solid, pour order 3): 74.676,81.28 75.819,82.423 75.819,84.074 79.375,84.074 79.375,82.804 76.073,79.502 75.057,78.486 75.057,77.216 71.628,77.216 70.231,75.819 68.072,75.819 68.072,81.28
NetL9_1 on Top Layer "NETL9_1_L01_P002" (solid, pour order 2): 66.04,84.074 66.04,83.312 64.135,81.407 64.135,75.819 66.294,75.819 66.294,81.407 67.564,82.677 67.564,84.074
NetC70_1 on Top Layer "NETC70_1_L01_P001" (solid, pour order 1): 64.516,95.758 67.183,95.758 68.072,96.647 72.39,96.647 73.279,97.536 76.327,97.536 76.327,94.488 73.914,92.075 67.818,92.075 66.421,90.678 66.421,90.043 65.278,90.043 65.278,94.361 64.516,95.123
NetC69_1 on Top Layer "NETC69_1_L01_P000" (solid, pour order 0): 64.516,109.474 66.802,109.474 67.691,110.363 72.39,110.363 73.279,111.252 76.327,111.252 76.327,108.204 73.914,105.791 67.818,105.791 66.421,104.394 66.421,103.759 65.278,103.759 65.278,108.077 64.516,108.839
VCC_3V3 on Bottom Layer "VCC_3V3_L02_P006" (solid, pour order 6): 59.817,80.772 72.898,80.772 72.898,78.613 59.817,78.613
VCC_24V_S on Bottom Layer "VCC_24V_S_L02_P005" (solid, pour order 5): 49.53,81.153 51.181,81.153 51.181,79.502 53.213,79.502 53.213,76.962 49.53,76.962

## Keep-outs
Keep-Out Layer:
  lines w0.5: 25.4,25.4 29.718,21.082 34.29,21.082 38.608,25.4 112.141,25.4 116.459,21.082 121.031,21.082 125.349,25.4 125.349,115.57 121.031,119.888 116.459,119.888 112.141,115.57 38.608,115.57 34.29,119.888 29.718,119.888 25.4,115.57 25.4,25.4 ; 93.218,48.133 93.218,54.991 93.98,54.991 93.98,48.387 97.155,45.212 107.442,45.212 112.395,50.165 112.395,51.054 113.157,51.054 113.157,49.911 107.696,44.45 96.901,44.45 93.218,48.133 ; 93.218,60.325 93.218,67.437 94.615,68.834 105.41,68.834 113.157,61.087 113.157,56.134 112.395,56.134 112.395,60.833 105.156,68.072 94.996,68.072 93.98,67.056 93.98,60.325 93.218,60.325

## Silkscreen, mask and mechanical layers (free items; w line width, h text height)
Top Overlay:
  lines w0.5: 25.4,25.4 25.4,115.57 29.718,119.888 34.29,119.888 38.608,115.57 112.141,115.57 116.459,119.888 121.031,119.888 125.349,115.57 125.349,25.4 121.031,21.082 116.459,21.082 112.141,25.4 38.608,25.4 34.29,21.082 34.163,21.082 29.718,21.082 25.4,25.4 ; 96.901,46.736 96.901,52.905 96.928,52.932 102.008,52.932 103.859,52.932 103.886,52.905 103.886,45.974 97.663,45.974 96.901,46.736

## Dimensions
125.349,115.57 to 25.4,115.57 on Top Overlay
121.031,21.082 to 121.031,119.888 on Top Overlay